# Altium PCB CubeSat Backplane.PcbDoc (part 1 of 4)
Units mm, origin at the board's own origin, x right, y up, seen from the top; angles counter-clockwise.
Board outline 79 x 138 mm, 6 copper layers (Top Layer, H1-ODD, H1-EVEN, H2-ODD, H2-EVEN, Bottom Layer), stack 1.576 mm thick; 61 components, 140 nets, 1310 pads, 1091 vias.
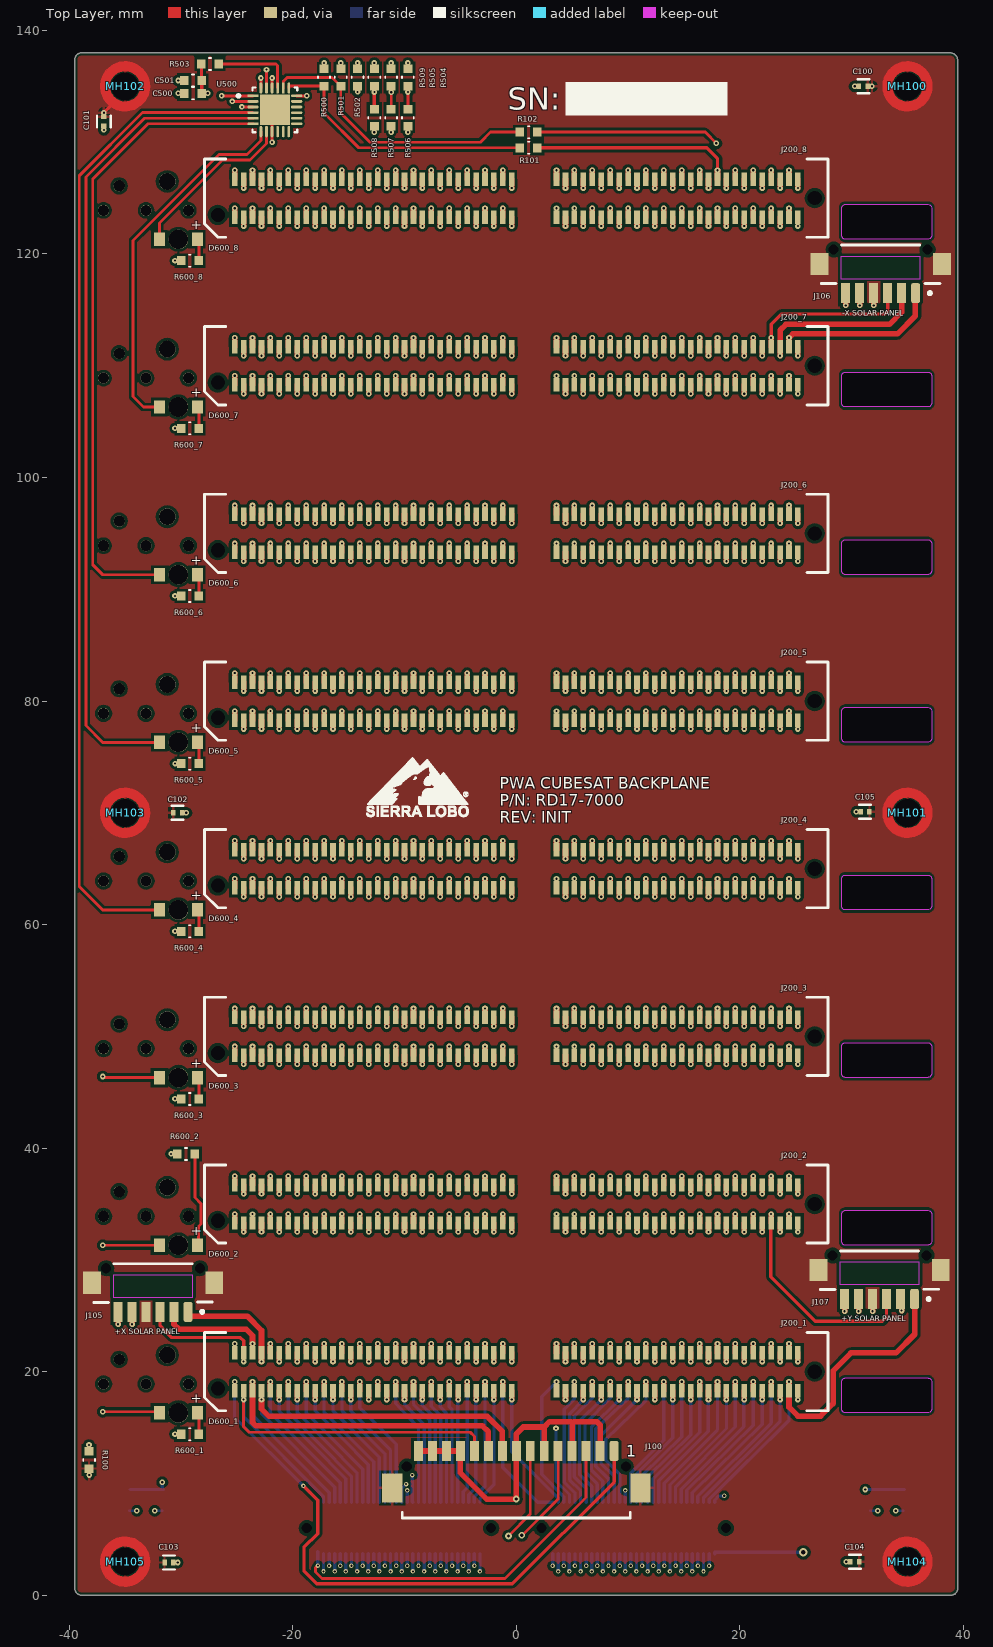
[diagram p0: Top Layer view]
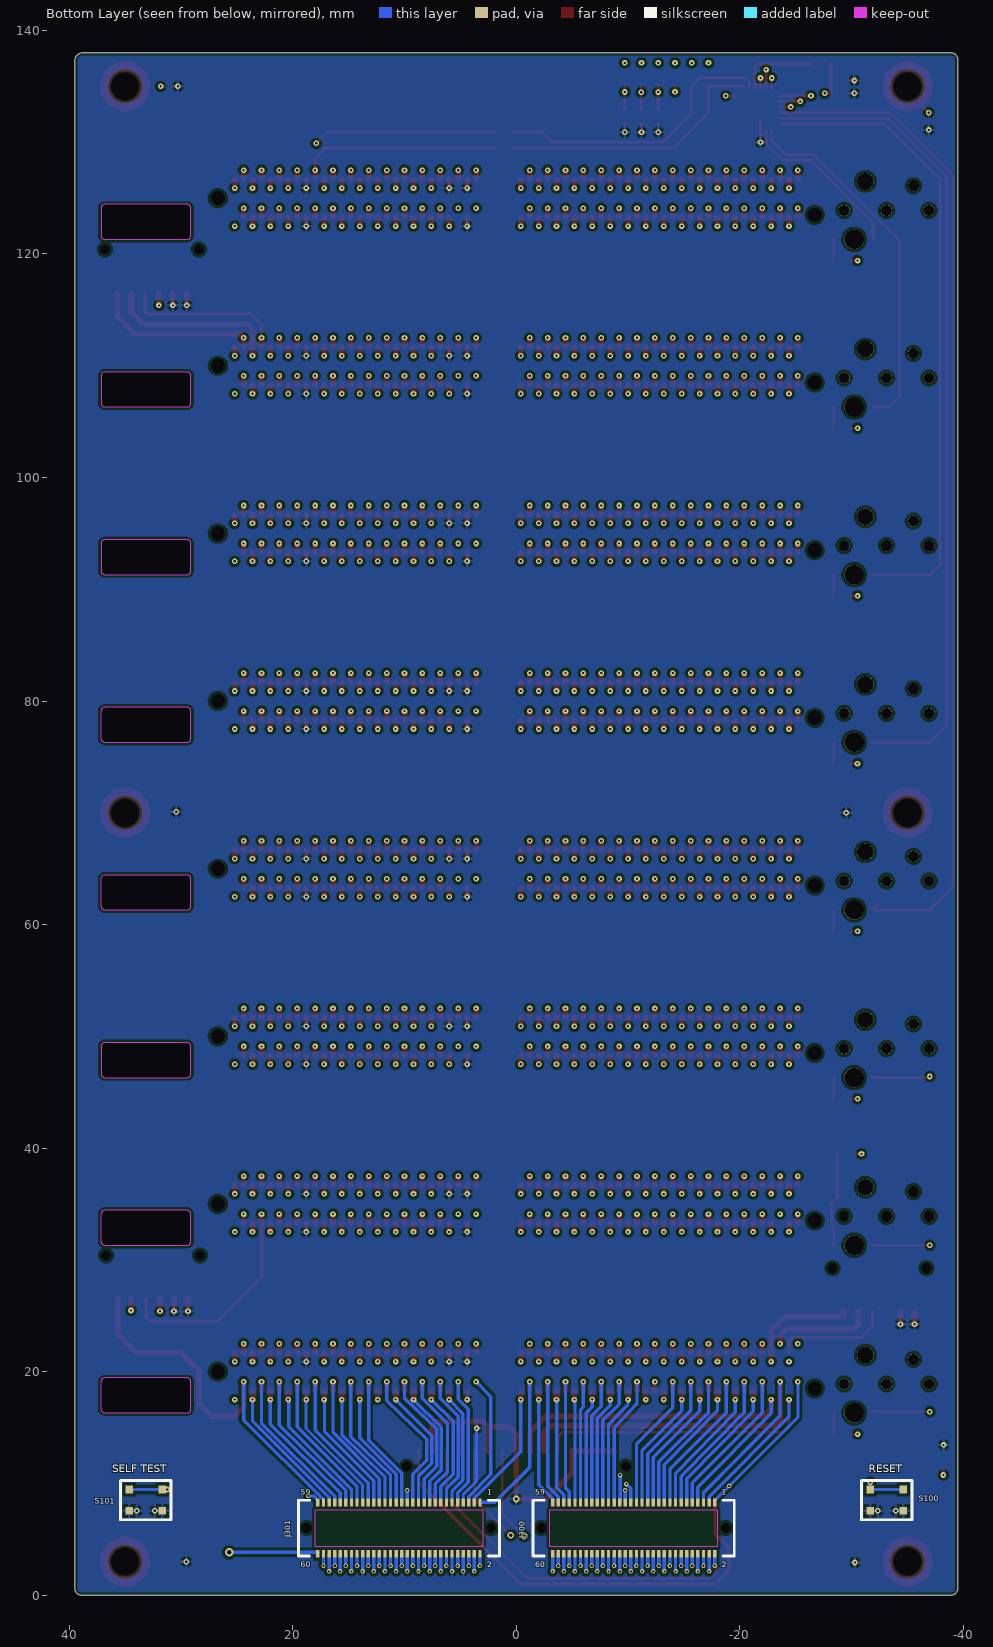
[diagram p1: Bottom Layer view, seen from below]
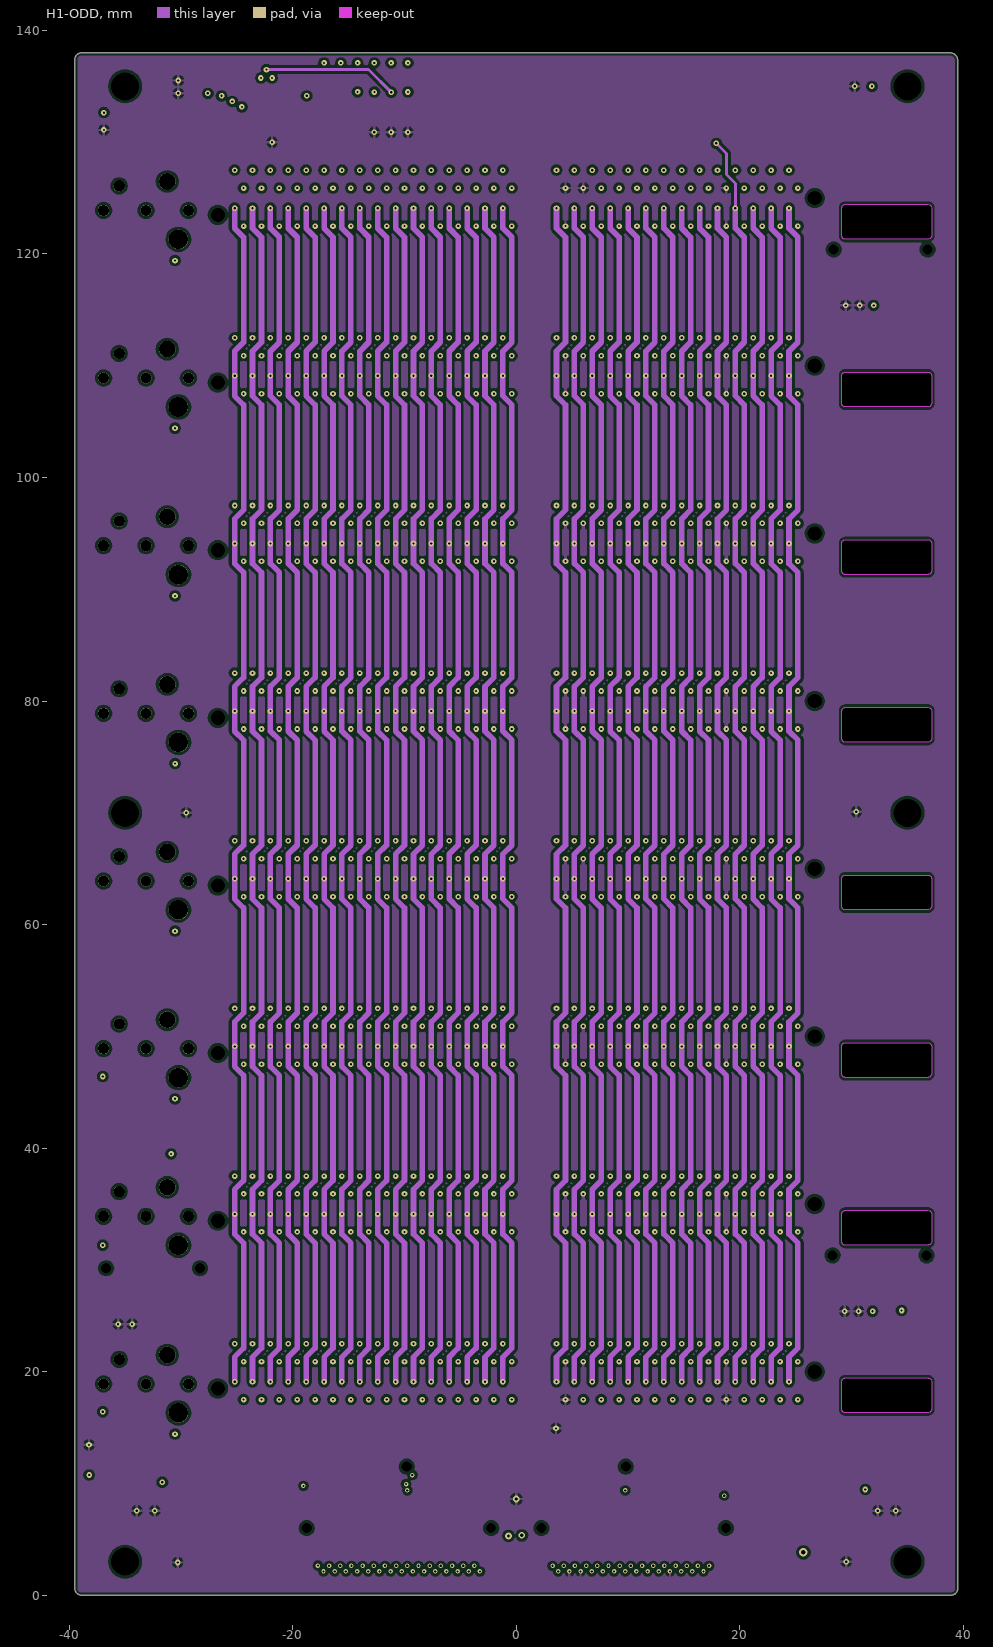
[diagram p2: H1-ODD]
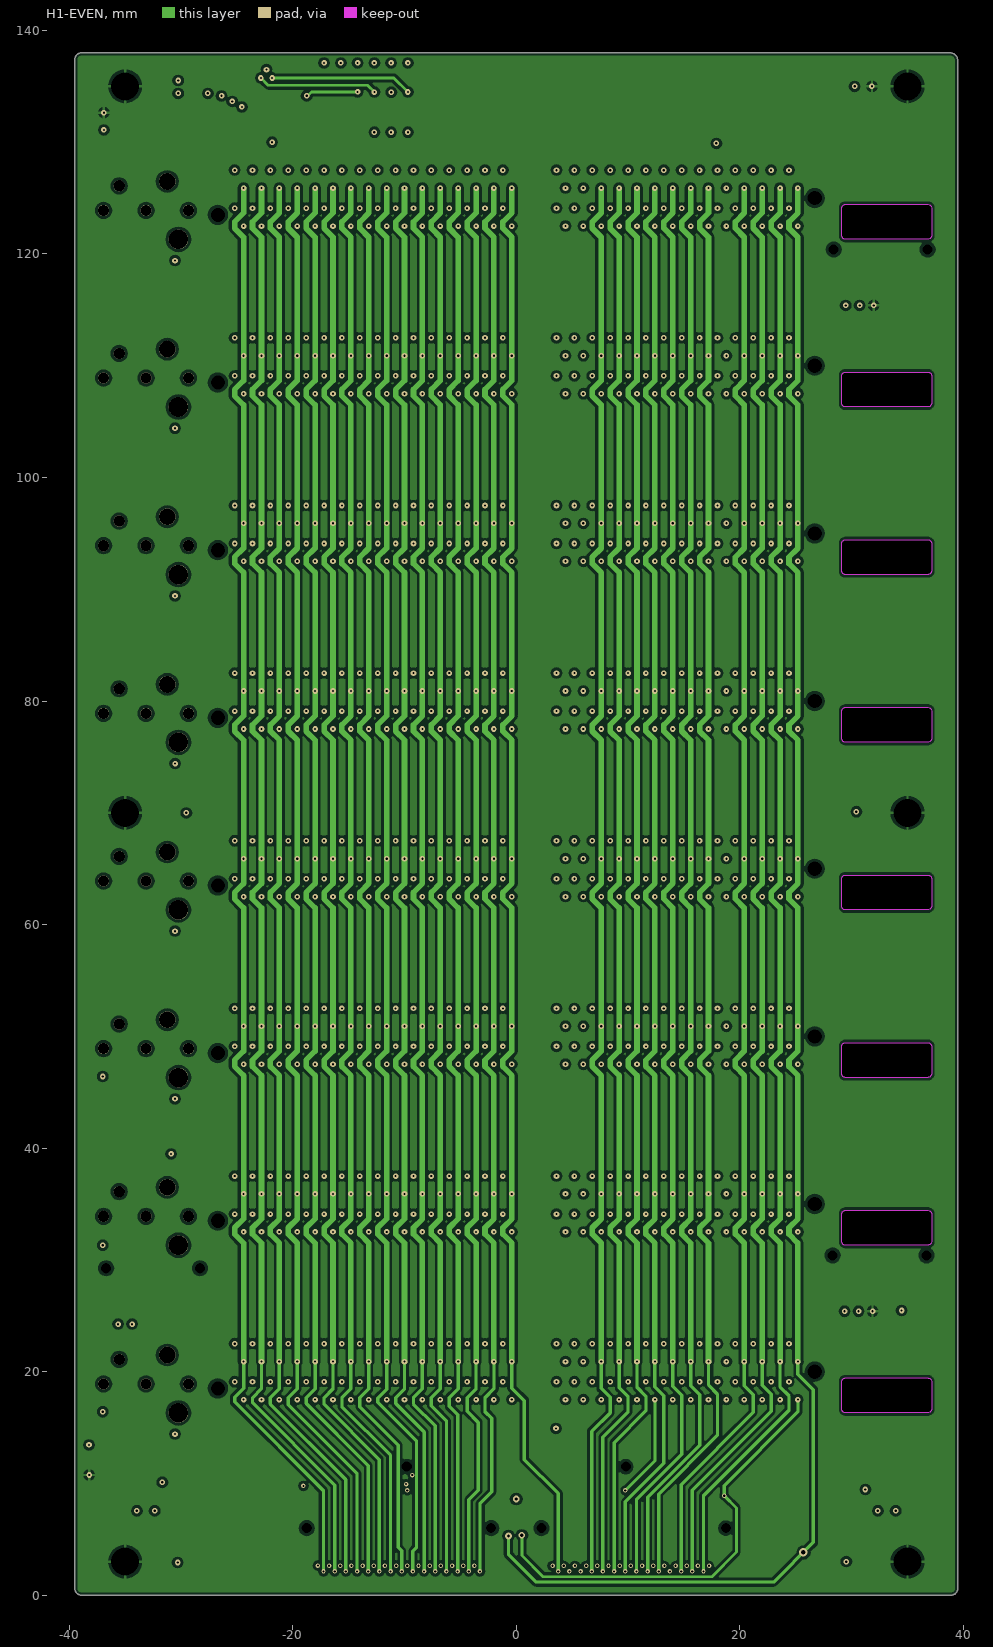
[diagram p3: H1-EVEN]
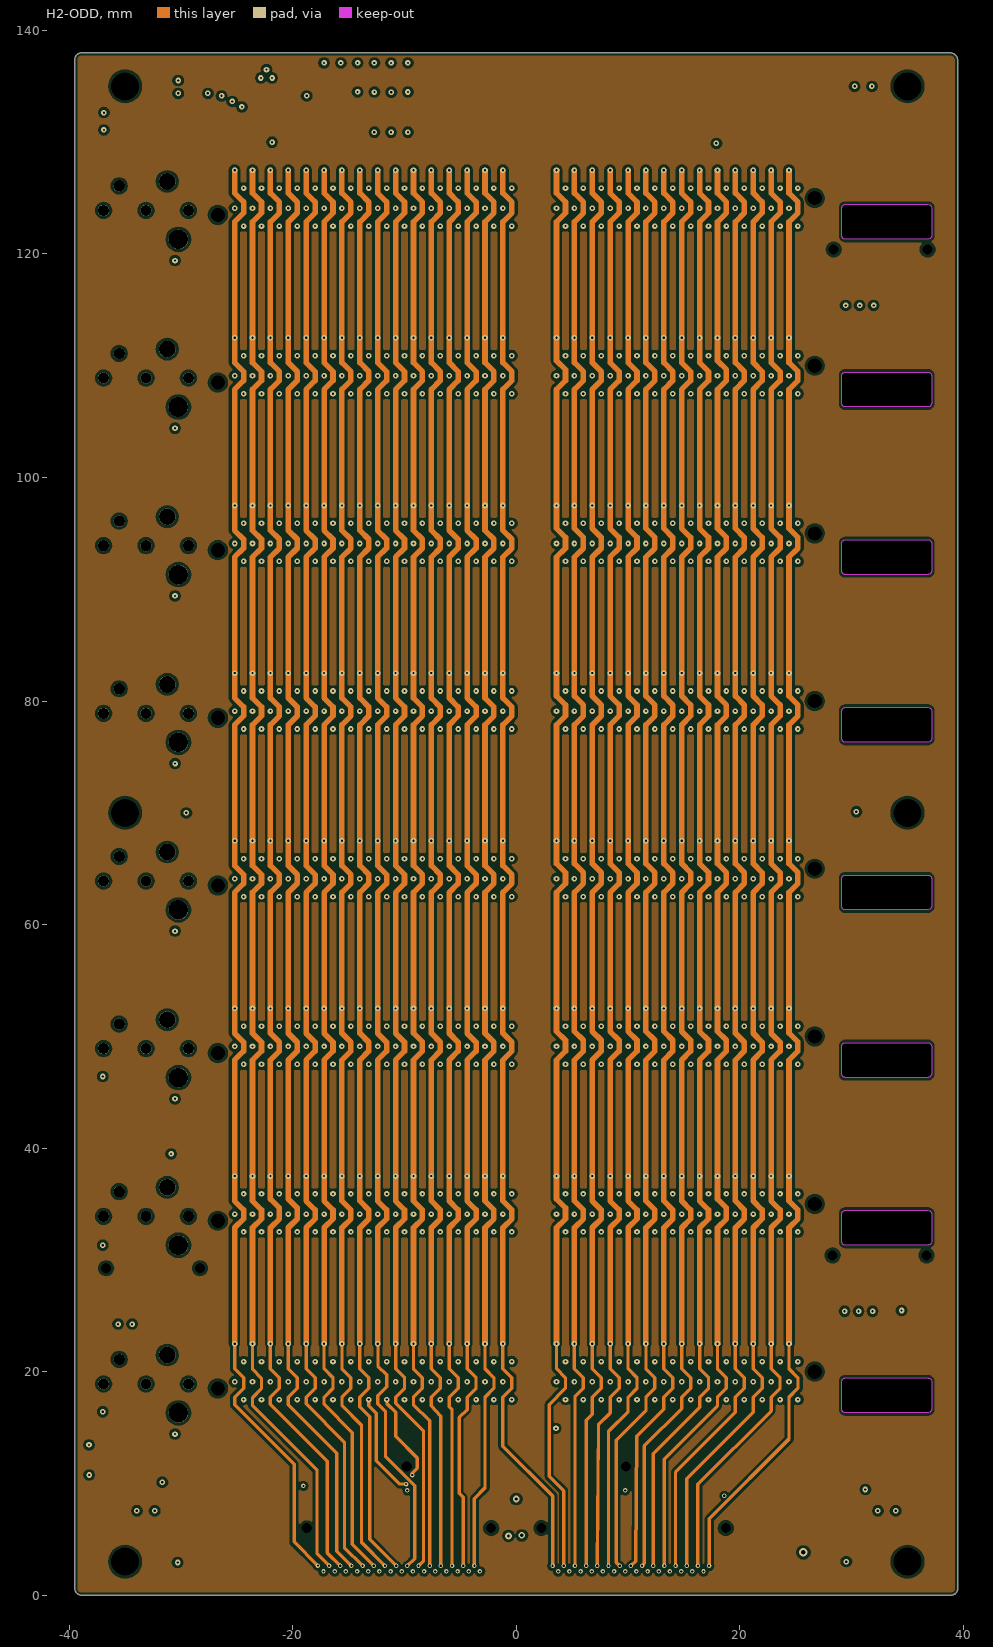
[diagram p4: H2-ODD]
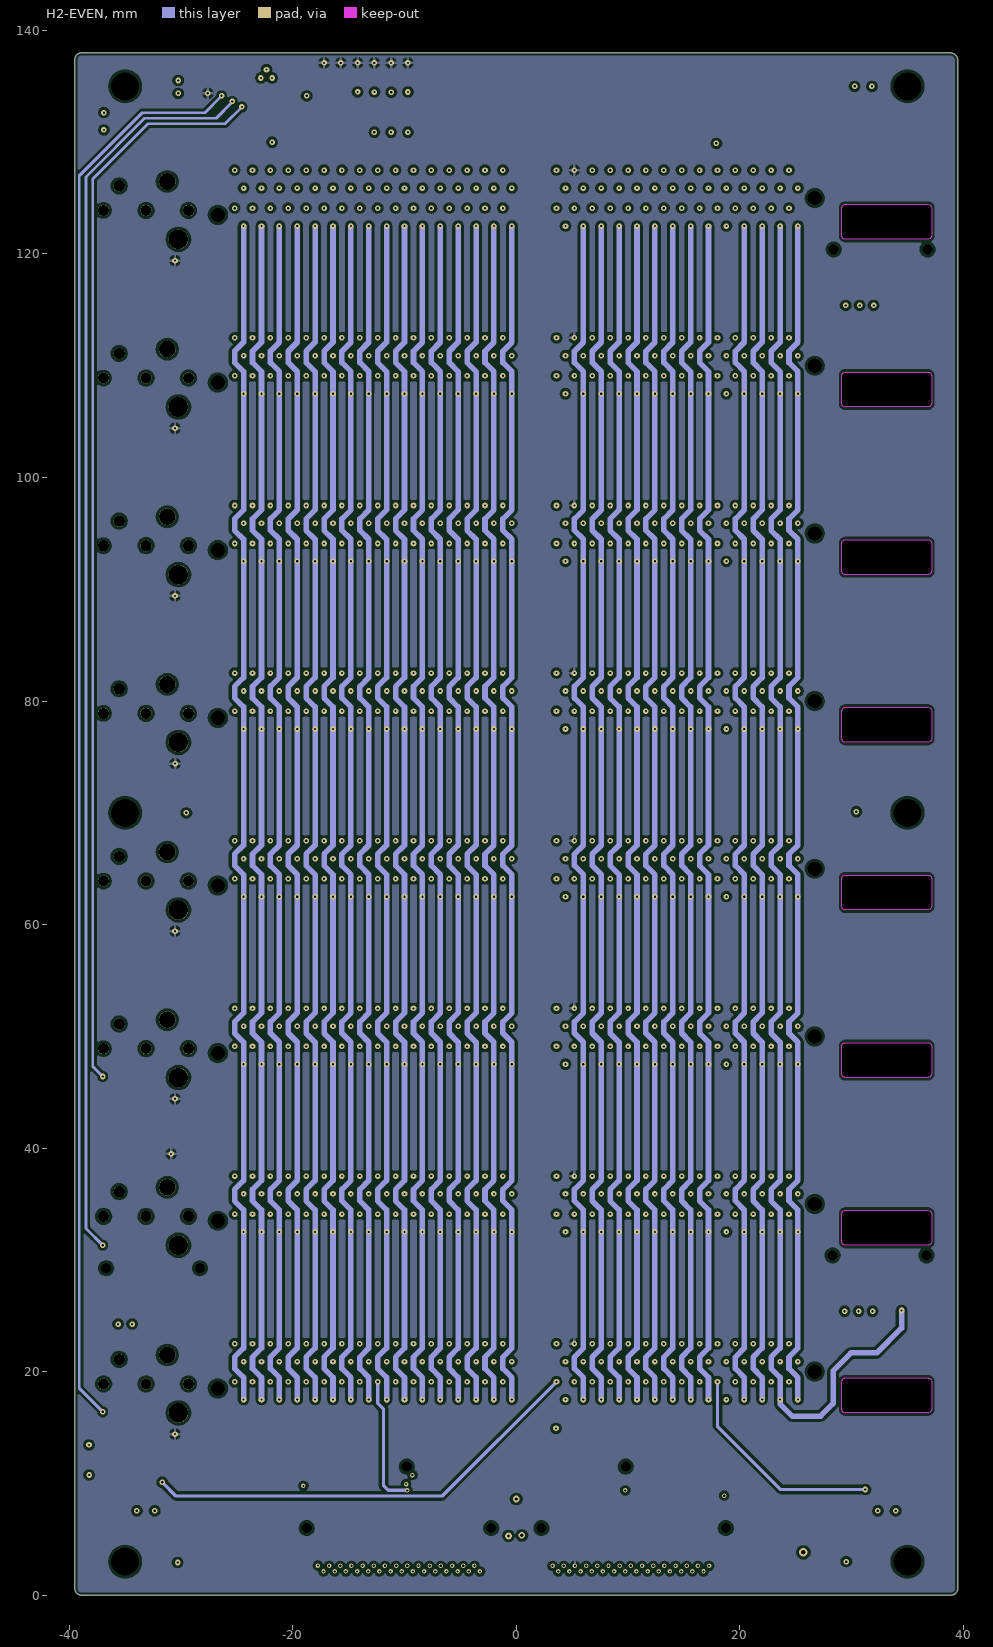
[diagram p5: H2-EVEN]
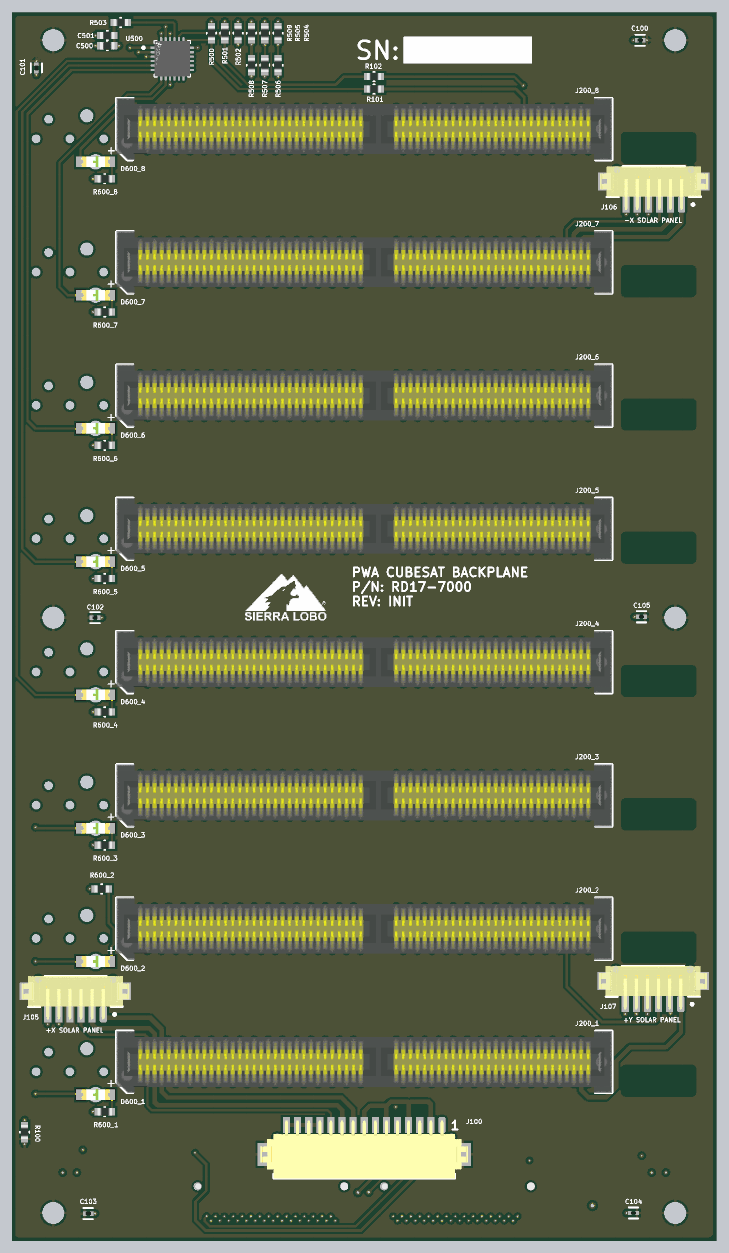
[diagram p9: 3D render of the assembled board from above, using the file's embedded part models]
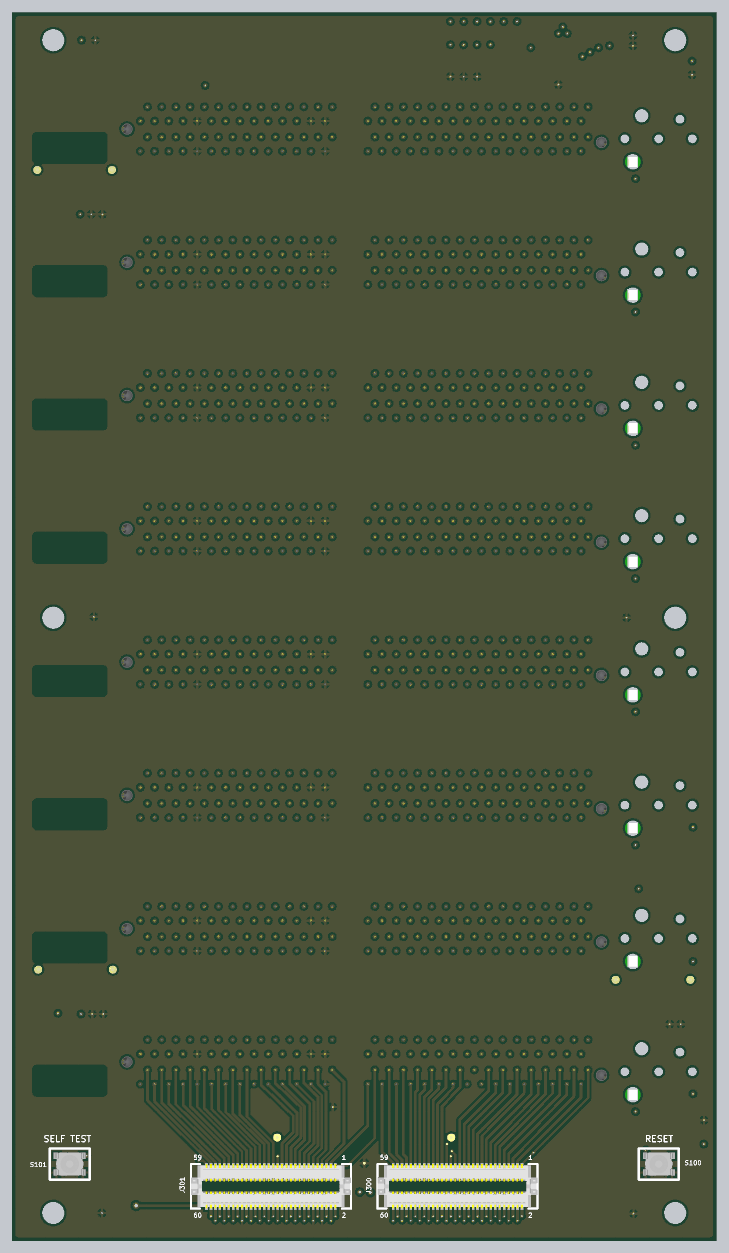
[diagram p10: 3D render of the assembled board from below, using the file's embedded part models]

## Layer stack, top to bottom
Flex Top Coverlay: solder mask 0.01, Solder Resist, Dk 3.5
Flex Top Coverlay: solder mask 0.012, FC-001, Dk 4
Top Layer: signal copper 0.071
Dielectric 1: prepreg 0.18, PP-021, Dk 4.7
H1-ODD: signal copper 0.071
Dielectric 2: core 0.305, Core-029, Dk 4.7
H1-EVEN: signal copper 0.071
Dielectric 3: prepreg 0.18, PP-021, Dk 4.7
H2-ODD: signal copper 0.071
Dielectric 4: core 0.305, Core-029, Dk 4.7
H2-EVEN: signal copper 0.071
Dielectric 5: prepreg 0.18, PP-021, Dk 4.7
Bottom Layer: signal copper 0.071
Bottom Solder: solder mask 0.012, FC-001, Dk 4
Bottom Solder: solder mask 0.01, Solder Resist, Dk 3.5

## Board outline
-39.5,0.6 ccw(c-38.9,0.6) -38.9,0 38.9,0 ccw(c38.9,0.6) 39.5,0.6 39.5,137.3 ccw(c38.8,137.3) 38.8,138 -38.9,138 ccw(c-38.9,137.4) -39.5,137.4

## Design rules (kind name [scope] priority, off if disabled: settings)
BoardOutlineClearance BoardOutlineClearance_MH [HasFootprint('M2_PTH')] p1: gap=0 ignorepadtopadclearanceinfootprint=FALSE
BoardOutlineClearance [All] p2: gap=0.254 ignorepadtopadclearanceinfootprint=FALSE except(0: Arc-SplitContinuation Track-SplitContinuation SMDPad-SplitContinuation THPad-SplitContinuation Via-SplitContinuation Fill-SplitContinuation Poly-SplitContinuation Region-SplitContinuation Text-SplitContinuation)
Clearance Clearance_PP [InPolygon] p1: gap=0.254 ignorepadtopadclearanceinfootprint=TRUE
Clearance Clearance_CON [(HasFootprint('DF13-2P-1.25V(76)') AND HasFootprint('DF13-6P-1.25H(XX)') AND HasFootprint('DF13-6P-1.25V(75)') AND HasFootprint('HSEC8-160-01-S-DV-A-K-TR') AND HasFootprint('TLH-030-0.50-G-D-A'))] p2: gap=0.05 ignorepadtopadclearanceinfootprint=TRUE
Clearance [All] p3: gap=0.2 ignorepadtopadclearanceinfootprint=TRUE except(0: Arc-Hole Track-Hole SMDPad-Hole THPad-Hole Via-Hole Fill-Hole Poly-Hole Region-Hole Text-Hole)
HoleSize [All] p1: absolutevalues=TRUE maxlimit=10 minlimit=0.025 maxpercent=80.000 minpercent=20.000
MinimumSolderMaskSliver [All] p1: minsoldermaskwidth=0.09
PolygonConnect HIROSE_SUPPORT [(HasFootprint('DF13-2P-1.25V(76)') OR HasFootprint('DF13-6P-1.25H(XX)') OR HasFootprint('DF13-6P-1.25V(75)'))] p1: connectstyle=Direct reliefconductorwidth=0.254 reliefentries=4 polygonreliefangle="90 Angle" airgapwidth=0.254
PolygonConnect CHS_CONNECT [HasFootprint('M2_PTH') vs InNet('CHS')] p2: connectstyle=Direct reliefconductorwidth=0.254 reliefentries=4 polygonreliefangle="90 Angle" airgapwidth=0.254
PolygonConnect [All] p3: connectstyle=Relief reliefconductorwidth=0.254 reliefentries=4 polygonreliefangle="90 Angle" airgapwidth=0.254
RoomDefinition PCB_CON2 [InComponentClass('PCB_CON2')] p1: confinementstyle=ConfineIn formatcopy=TRUE lockcomponents=FALSE outline 39.5,42.15 -39.5,42.15 -39.5,28.25 39.5,28.25
RoomDefinition PCB_CON3 [InComponentClass('PCB_CON3')] p2: confinementstyle=ConfineIn formatcopy=TRUE lockcomponents=FALSE outline 39.5,57.15 -39.5,57.15 -39.5,43.25 39.5,43.25
RoomDefinition PCB_CON8 [InComponentClass('PCB_CON8')] p3: confinementstyle=ConfineIn formatcopy=TRUE lockcomponents=FALSE outline 39.5,132.149 -39.5,132.149 -39.5,118.249 39.5,118.249
RoomDefinition PCB_CON7 [InComponentClass('PCB_CON7')] p4: confinementstyle=ConfineIn formatcopy=TRUE lockcomponents=FALSE outline 39.5,117.149 -39.5,117.149 -39.5,103.249 39.5,103.249
RoomDefinition PCB_CON6 [InComponentClass('PCB_CON6')] p5: confinementstyle=ConfineIn formatcopy=TRUE lockcomponents=FALSE outline 39.5,102.149 -39.5,102.149 -39.5,88.249 39.5,88.249
RoomDefinition PCB_CON5 [InComponentClass('PCB_CON5')] p6: confinementstyle=ConfineIn formatcopy=TRUE lockcomponents=FALSE outline 39.5,87.25 -39.5,87.25 -39.5,73.35 39.5,73.35
RoomDefinition PCB_CON4 [InComponentClass('PCB_CON4')] p7: confinementstyle=ConfineIn formatcopy=TRUE lockcomponents=FALSE outline 39.5,72.15 -39.5,72.15 -39.5,58.25 39.5,58.25
RoomDefinition "CubeSat Backplane" [InComponentClass('CubeSat Backplane')] p8: confinementstyle=ConfineIn formatcopy=TRUE lockcomponents=FALSE outline -39.5,0 39.494,0 39.494,138 -39.5,138
RoutingVias [All] p1: holewidth=0.3 width=0.8 viastyle="Through Hole" minholewidth=0.01 minwidth=0.1 maxholewidth=1 maxwidth=3
SolderMaskExpansion [All] p1: expansion=0.102 istentingtop=TRUE
Width [All] p1: maxlimit=2.54 minlimit=0.254 preferedwidth=0.254 minimp=50.000000 maximp=50.000000 favimp=50.000000
28 further rules are at their usual default settings.

## Classes and differential pairs
channel class LED: LED_1 LED_2 LED_3 LED_4 LED_5 LED_6 LED_7 LED_8
net class LED[1..8]: LED1 LED2 LED3 LED4 LED5 LED6 LED7 LED8
component class LED_8: D600_8 R600_8
component class LED_7: D600_7 R600_7
component class LED_6: D600_6 R600_6
component class LED_5: D600_5 R600_5
component class LED_4: D600_4 R600_4
component class LED_3: D600_3 R600_3
component class LED_2: D600_2 R600_2
component class LED_1: D600_1 R600_1
component class BACK_LED: C500 C501 R500 R501 R502 R503 R504 R505 R506 R507 R508 R509 U500
component class BOT_CON: J300 J301
component class PCB_CON8: J200_8
component class PCB_CON7: J200_7
component class PCB_CON6: J200_6
component class PCB_CON5: J200_5
component class PCB_CON4: J200_4
component class PCB_CON3: J200_3
component class PCB_CON2: J200_2
component class PCB_CON1: J200_1
channel class "Backplane PCB Connector": PCB_CON1 PCB_CON2 PCB_CON3 PCB_CON4 PCB_CON5 PCB_CON6 PCB_CON7 PCB_CON8
component class "CubeSat Backplane": C100 C101 C102 C103 C104 C105 J100 J105 J106 J107 MH100 MH101 MH102 MH103 MH104 MH105 R100 R101 R102 S100 S101

## Components (designator, comment, footprint, x,y, rotation, side; value= is the part's Value field where it differs from the comment)
C100 "GRM155R71C104KA88D" FP-GRM15-MFG 31.049,135.001 r0 top value=0.10μF
C101 "GRM155R71C104KA88D" FP-GRM15-MFG -36.9,131.873 r90 top value=0.10μF
C102 "GRM155R71C104KA88D" FP-GRM15-MFG -30.3,70 r180 top value=0.10μF
C103 "GRM155R71C104KA88D" FP-GRM15-MFG -31.073,2.927 r180 top value=0.10μF
C104 "GRM155R71C104KA88D" FP-GRM15-MFG 30.3,3 r0 top value=0.10μF
C105 "GRM155R71C104KA88D" FP-GRM15-MFG 31.2,70.1 r0 top value=0.10μF
C500 "100nF" 0603#1 -28.925,134.375 r180 top
C501 "1uF" 0603#1 -28.925,135.525 r180 top
D600_1 "BLUE" WL-SMRW_1205_BLU#1 -30.23,16.31 r0 top (schematic designator D600)
D600_2 "BLUE" WL-SMRW_1205_BLU#1 -30.23,31.31 r0 top (schematic designator D600)
D600_3 "BLUE" WL-SMRW_1205_BLU#1 -30.23,46.31 r0 top (schematic designator D600)
D600_4 "BLUE" WL-SMRW_1205_BLU#1 -30.23,61.31 r0 top (schematic designator D600)
D600_5 "BLUE" WL-SMRW_1205_BLU#1 -30.23,76.31 r0 top (schematic designator D600)
D600_6 "BLUE" WL-SMRW_1205_BLU#1 -30.23,91.309 r0 top (schematic designator D600)
D600_7 "BLUE" WL-SMRW_1205_BLU#1 -30.23,106.309 r0 top (schematic designator D600)
D600_8 "BLUE" WL-SMRW_1205_BLU#2 -30.23,121.309 r0 top (schematic designator D600)
J100 "SEPERATION_SW" DF13-15P-1.25H(75) 0,12 r0 top
J105 "+X SOLAR PANEL" DF13-6P-1.25V(75) -32.5,26.25 r180 top
J106 "-X SOLAR PANEL" DF13-6P-1.25V(75) 32.6,117.4 r180 top
J107 "+Y SOLAR PANEL" DF13-6P-1.25V(75) 32.5,27.4 r180 top
J200_1 "HSEC8-160-01-S-DV-A-K-TR" HSEC8-160-01-S-DV-A-K-TR#1 0,20 r0 top (schematic designator J200)
J200_2 "HSEC8-160-01-S-DV-A-K-TR" HSEC8-160-01-S-DV-A-K-TR#1 0,35 r0 top (schematic designator J200)
J200_3 "HSEC8-160-01-S-DV-A-K-TR" HSEC8-160-01-S-DV-A-K-TR#1 0,50 r0 top (schematic designator J200)
J200_4 "HSEC8-160-01-S-DV-A-K-TR" HSEC8-160-01-S-DV-A-K-TR#1 0,65 r0 top (schematic designator J200)
J200_5 "HSEC8-160-01-S-DV-A-K-TR" HSEC8-160-01-S-DV-A-K-TR#1 0,80 r0 top (schematic designator J200)
J200_6 "HSEC8-160-01-S-DV-A-K-TR" HSEC8-160-01-S-DV-A-K-TR#1 0,94.999 r0 top (schematic designator J200)
J200_7 "HSEC8-160-01-S-DV-A-K-TR" HSEC8-160-01-S-DV-A-K-TR#1 0,109.999 r0 top (schematic designator J200)
J200_8 "HSEC8-160-01-S-DV-A-K-TR" HSEC8-160-01-S-DV-A-K-TR#2 0,124.999 r0 top (schematic designator J200)
J300 "TLH-030-0.50-G-D-A" TLH-030-0.50-G-D-A -10.5,6 r0 bottom locked
J301 "TLH-030-0.50-G-D-A" TLH-030-0.50-G-D-A 10.5,6 r0 bottom locked
MH100 "M3" "M3_NPTH/W PAD" 35,135 r0 top
MH101 "M3" "M3_NPTH/W PAD" 35,70 r0 top
MH102 "M3" "M3_NPTH/W PAD" -35,135 r0 top
MH103 "M3" "M3_NPTH/W PAD" -35,70 r0 top
MH104 "M3" "M3_NPTH/W PAD" 35,3 r0 top
MH105 "M3" "M3_NPTH/W PAD" -35,3 r0 top
R100 "0mR" 0603#2 -38.225,12.1 r270 top
R101 "0mR" 0603#2 1.1,129.5 r0 top
R102 "0mR" 0603#2 1.1,130.9 r0 top
R500 "4.7k" RES_603#1 -17.2,135.8 r90 top
R501 "4.7k" RES_603#1 -15.7,135.8 r90 top
R502 "4.7k" RES_603#2 -14.2,135.8 r90 top
R503 "0mR" 0603#1 -27.4,136.998 r180 top
R504 "0mR" 0603#2 -9.7,135.8 r270 top
R505 "0mR" 0603#2 -11.2,135.8 r270 top
R506 "10k" RES_603#1 -9.7,132.195 r90 top
R507 "10k" RES_603#1 -11.2,132.195 r90 top
R508 "10k" RES_603#2 -12.7,132.195 r90 top
R509 "0mR" 0603#1 -12.7,135.8 r270 top
R600_1 "150R" 0603#2 -29.2,14.4 r180 top (schematic designator R600)
R600_2 "150R" 0603#2 -29.55,39.475 r180 top (schematic designator R600)